# KiCad board TX75v2 PCB replacement.kicad_pcb (continued)
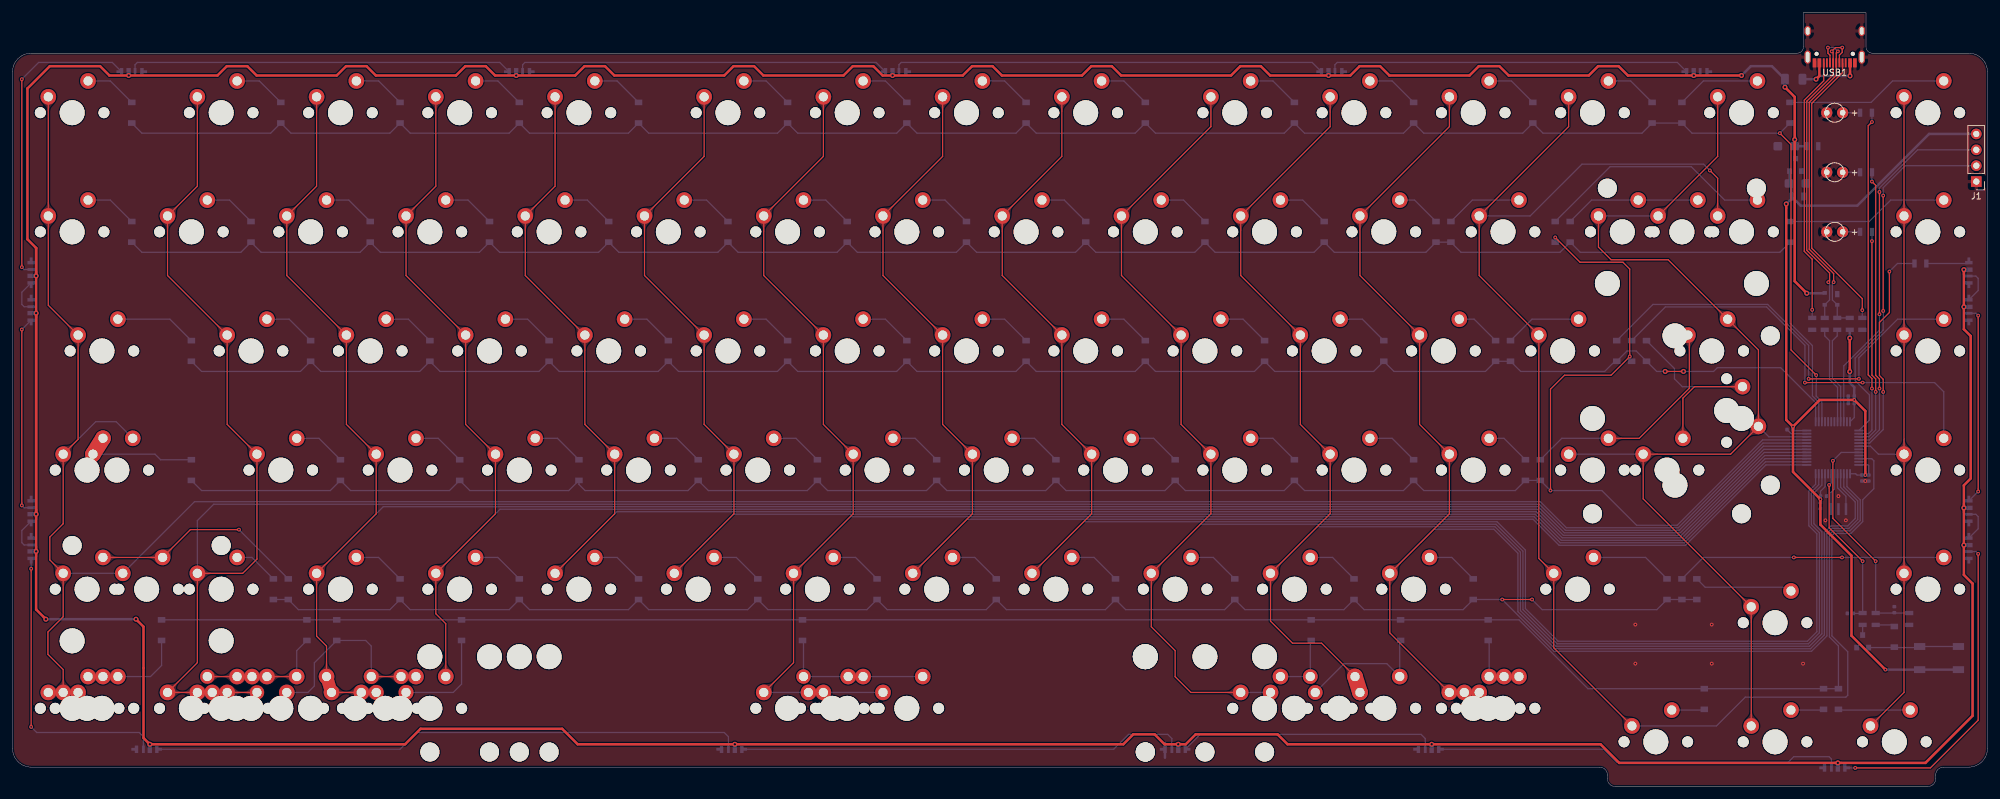
[diagram p0: board, top side]
## Copper pours and planes (outline as drawn; the poured copper is in the pictures) (continued)
C13 on Top: 277.87,26.24 277.87,26.35 277.88,26.45 277.89,26.54 277.9,26.63 277.92,26.71 277.94,26.78 277.96,26.85 277.99,26.92 278.01,26.98 278.04,27.04 278.08,27.1 278.11,27.15 278.15,27.2 278.19,27.25 278.53,27.64 278.58,27.7 278.63,27.75 278.67,27.82 278.72,27.88 278.77,27.95 278.81,28.02 278.85,28.1 278.9,28.19 277.77,29.36 276.65,28.19 276.69,28.1 276.74,28.02 276.78,27.95 276.83,27.88 276.87,27.82 276.92,27.75 276.96,27.7 277.01,27.64 277.36,27.25 277.4,27.2 277.44,27.15 277.47,27.1 277.5,27.04 277.53,26.98 277.56,26.92 277.58,26.85 277.61,26.78 277.63,26.71 277.64,26.63 277.66,26.54 277.67,26.45 277.67,26.35 277.67,26.24
C13 on Top: 277.67,12.17 277.67,12.07 277.67,11.97 277.66,11.88 277.64,11.79 277.63,11.71 277.61,11.63 277.58,11.56 277.56,11.5 277.53,11.44 277.5,11.38 277.47,11.32 277.44,11.27 277.4,11.22 277.36,11.17 277.01,10.78 276.96,10.72 276.92,10.66 276.87,10.6 276.83,10.54 276.78,10.47 276.74,10.39 276.69,10.31 276.65,10.23 277.77,9.06 278.9,10.23 278.85,10.31 278.81,10.39 278.77,10.47 278.72,10.54 278.67,10.6 278.63,10.66 278.58,10.72 278.53,10.78 278.19,11.17 278.15,11.22 278.11,11.27 278.08,11.32 278.04,11.38 278.01,11.44 277.99,11.5 277.96,11.56 277.94,11.63 277.92,11.71 277.9,11.79 277.89,11.88 277.88,11.97 277.87,12.07 277.87,12.17
C13 on Top: 275.83,73.04 275.76,73.12 275.69,73.19 275.64,73.26 275.58,73.33 275.54,73.4 275.5,73.47 275.46,73.54 275.44,73.6 275.41,73.66 275.39,73.73 275.37,73.79 275.36,73.85 275.35,73.91 275.34,73.97 275.31,74.5 275.31,74.57 275.3,74.64 275.29,74.72 275.28,74.8 275.26,74.88 275.24,74.96 275.21,75.05 275.18,75.14 273.56,75.17 273.59,73.55 273.68,73.52 273.77,73.5 273.86,73.48 273.94,73.46 274.02,73.45 274.09,73.43 274.17,73.43 274.24,73.42 274.76,73.39 274.82,73.38 274.88,73.37 274.95,73.36 275.01,73.34 275.07,73.32 275.13,73.3 275.2,73.27 275.26,73.24 275.33,73.2 275.4,73.15 275.47,73.1 275.54,73.04 275.62,72.97 275.69,72.9
C13 on Top: 278.82,60.08 278.82,59.97 278.82,59.87 278.81,59.78 278.79,59.69 278.78,59.61 278.76,59.54 278.74,59.47 278.71,59.4 278.68,59.34 278.65,59.28 278.62,59.22 278.59,59.17 278.55,59.12 278.51,59.07 278.16,58.68 278.12,58.62 278.07,58.57 278.02,58.51 277.98,58.44 277.93,58.37 277.89,58.3 277.84,58.22 277.8,58.13 278.92,56.96 280.05,58.13 280.01,58.22 279.96,58.3 279.92,58.37 279.87,58.44 279.82,58.51 279.78,58.57 279.73,58.62 279.69,58.68 279.34,59.07 279.3,59.12 279.26,59.17 279.23,59.22 279.19,59.28 279.16,59.34 279.14,59.4 279.11,59.47 279.09,59.54 279.07,59.61 279.05,59.69 279.04,59.78 279.03,59.87 279.03,59.97 279.02,60.08
C13 on Top: 272.17,76.42 272.24,76.35 272.31,76.27 272.37,76.2 272.42,76.13 272.47,76.06 272.51,75.99 272.54,75.93 272.57,75.86 272.59,75.8 272.61,75.74 272.63,75.68 272.64,75.61 272.65,75.55 272.66,75.49 272.69,74.97 272.7,74.89 272.71,74.82 272.72,74.74 272.73,74.67 272.75,74.58 272.77,74.5 272.79,74.41 272.82,74.32 274.44,74.29 274.41,75.91 274.32,75.94 274.23,75.97 274.15,75.99 274.07,76 273.99,76.02 273.91,76.03 273.84,76.04 273.77,76.04 273.24,76.07 273.18,76.08 273.12,76.09 273.06,76.1 273,76.12 272.93,76.14 272.87,76.16 272.81,76.19 272.74,76.23 272.67,76.27 272.61,76.31 272.54,76.36 272.46,76.42 272.39,76.49 272.31,76.56
C13 on Top: 253.47,88.75 253.47,88.86 253.47,88.96 253.48,89.05 253.5,89.14 253.51,89.22 253.53,89.29 253.55,89.36 253.58,89.43 253.61,89.49 253.64,89.55 253.67,89.6 253.7,89.66 253.74,89.71 253.78,89.76 254.13,90.15 254.17,90.2 254.22,90.26 254.27,90.32 254.31,90.39 254.36,90.46 254.4,90.53 254.45,90.61 254.49,90.7 253.37,91.87 252.24,90.7 252.28,90.61 252.33,90.53 252.37,90.46 252.42,90.39 252.46,90.32 252.51,90.26 252.56,90.2 252.6,90.15 252.95,89.76 252.99,89.71 253.03,89.66 253.06,89.6 253.09,89.55 253.12,89.49 253.15,89.43 253.18,89.36 253.2,89.29 253.22,89.22 253.23,89.14 253.25,89.05 253.26,88.96 253.26,88.86 253.27,88.75
C13 on Top: 272.51,107.8 272.52,107.91 272.52,108.01 272.53,108.1 272.55,108.19 272.56,108.27 272.58,108.34 272.6,108.41 272.63,108.48 272.66,108.54 272.69,108.6 272.72,108.65 272.75,108.71 272.79,108.76 272.83,108.81 273.18,109.2 273.22,109.25 273.27,109.31 273.32,109.37 273.36,109.44 273.41,109.51 273.45,109.58 273.5,109.66 273.54,109.75 272.41,110.92 271.29,109.75 271.33,109.66 271.38,109.58 271.42,109.51 271.47,109.44 271.51,109.37 271.56,109.31 271.61,109.25 271.65,109.2 272,108.81 272.04,108.76 272.08,108.71 272.11,108.65 272.14,108.6 272.17,108.54 272.2,108.48 272.23,108.41 272.25,108.34 272.27,108.27 272.28,108.19 272.3,108.1 272.31,108.01 272.31,107.91 272.31,107.8
C13 on Top: 264.58,93.07 264.5,93 264.43,92.93 264.36,92.87 264.29,92.82 264.22,92.78 264.15,92.74 264.09,92.7 264.02,92.67 263.96,92.65 263.9,92.63 263.83,92.61 263.77,92.6 263.71,92.59 263.65,92.58 263.12,92.55 263.05,92.55 262.98,92.54 262.9,92.53 262.82,92.51 262.74,92.5 262.66,92.48 262.57,92.45 262.48,92.42 262.45,90.8 264.07,90.83 264.1,90.92 264.13,91.01 264.15,91.09 264.16,91.18 264.18,91.25 264.19,91.33 264.2,91.4 264.2,91.48 264.23,92 264.24,92.06 264.25,92.12 264.26,92.19 264.28,92.25 264.3,92.31 264.32,92.37 264.35,92.44 264.39,92.5 264.43,92.57 264.47,92.64 264.52,92.71 264.58,92.78 264.65,92.86 264.72,92.93
C13 on Top: 263,53.24 262.89,53.24 262.79,53.25 262.7,53.26 262.61,53.27 262.53,53.29 262.46,53.31 262.39,53.33 262.32,53.35 262.26,53.38 262.2,53.41 262.15,53.44 262.09,53.48 262.04,53.52 261.99,53.55 261.6,53.9 261.55,53.95 261.49,54 261.43,54.04 261.36,54.09 261.29,54.13 261.22,54.18 261.14,54.22 261.05,54.27 259.88,53.14 261.05,52.02 261.14,52.06 261.22,52.1 261.29,52.15 261.36,52.19 261.43,52.24 261.49,52.29 261.55,52.33 261.6,52.38 261.99,52.73 262.04,52.77 262.09,52.8 262.15,52.84 262.2,52.87 262.26,52.9 262.32,52.93 262.39,52.95 262.46,52.98 262.53,53 262.61,53.01 262.7,53.02 262.79,53.03 262.89,53.04 263,53.04
C13 on Top: 277.23,55.76 277.31,55.83 277.38,55.89 277.46,55.95 277.53,56.01 277.59,56.05 277.66,56.09 277.73,56.12 277.79,56.15 277.86,56.18 277.92,56.2 277.98,56.21 278.04,56.23 278.1,56.24 278.17,56.25 278.69,56.28 278.76,56.28 278.83,56.29 278.91,56.3 278.99,56.31 279.07,56.33 279.16,56.35 279.24,56.38 279.33,56.41 279.37,58.03 277.74,58 277.71,57.91 277.69,57.82 277.67,57.73 277.65,57.65 277.64,57.57 277.63,57.5 277.62,57.42 277.61,57.35 277.58,56.83 277.57,56.77 277.56,56.71 277.55,56.64 277.54,56.58 277.51,56.52 277.49,56.45 277.46,56.39 277.43,56.32 277.39,56.26 277.34,56.19 277.29,56.12 277.23,56.05 277.17,55.97 277.09,55.9
C13 on Bottom: 280.73,56.02 280.64,56.03 280.55,56.04 280.47,56.06 280.41,56.08 280.35,56.11 280.3,56.14 280.26,56.19 280.23,56.23 280.2,56.28 280.18,56.34 280.16,56.4 280.15,56.47 280.15,56.54 280.14,56.61 280.14,56.68 280.15,56.76 280.18,57.19 280.18,57.28 280.19,57.37 280.19,57.46 280.18,57.55 280.18,57.64 280.17,57.73 280.15,57.82 280.13,57.91 280.1,58 278.48,58.03 278.92,56.34 279.01,56.34 279.08,56.33 279.15,56.32 279.22,56.31 279.28,56.3 279.34,56.28 279.4,56.27 279.46,56.25 279.51,56.23 280.03,55.96 280.09,55.93 280.14,55.91 280.2,55.89 280.27,55.88 280.33,55.86 280.4,55.85 280.48,55.84 280.56,55.83 280.64,55.83 280.73,55.82
C13 on Bottom: 260.4,91.14 260.51,91.14 260.61,91.13 260.7,91.12 260.78,91.11 260.86,91.1 260.94,91.08 261.01,91.05 261.08,91.03 261.14,91 261.2,90.97 261.25,90.94 261.31,90.9 261.36,90.87 261.41,90.83 261.8,90.48 261.85,90.43 261.91,90.39 261.97,90.34 262.04,90.29 262.11,90.25 262.18,90.2 262.26,90.16 262.35,90.12 263.51,91.24 262.35,92.37 262.26,92.32 262.18,92.28 262.11,92.23 262.04,92.19 261.97,92.14 261.91,92.1 261.85,92.05 261.8,92 261.41,91.65 261.36,91.62 261.31,91.58 261.25,91.54 261.2,91.51 261.14,91.48 261.08,91.45 261.01,91.43 260.94,91.41 260.86,91.39 260.78,91.37 260.7,91.36 260.61,91.35 260.51,91.34 260.4,91.34
C13 on Bottom: 255.85,91.34 255.75,91.34 255.65,91.35 255.56,91.36 255.47,91.37 255.39,91.39 255.32,91.41 255.24,91.43 255.18,91.45 255.12,91.48 255.06,91.51 255,91.54 254.95,91.58 254.9,91.62 254.85,91.65 254.46,92 254.4,92.05 254.35,92.1 254.28,92.14 254.22,92.19 254.15,92.23 254.07,92.28 254,92.32 253.91,92.37 252.74,91.24 253.91,90.12 254,90.16 254.07,90.2 254.15,90.25 254.22,90.29 254.28,90.34 254.35,90.39 254.4,90.43 254.46,90.48 254.85,90.83 254.9,90.87 254.95,90.9 255,90.94 255.06,90.97 255.12,91 255.18,91.03 255.24,91.05 255.32,91.08 255.39,91.1 255.47,91.11 255.56,91.12 255.65,91.13 255.75,91.14 255.85,91.14
C13 on Bottom: 258.02,53.04 258.12,53.04 258.22,53.03 258.32,53.02 258.4,53.01 258.48,53 258.56,52.98 258.63,52.95 258.69,52.93 258.76,52.9 258.82,52.87 258.87,52.84 258.92,52.8 258.98,52.77 259.02,52.73 259.42,52.38 259.47,52.33 259.53,52.29 259.59,52.24 259.66,52.19 259.72,52.15 259.8,52.1 259.88,52.06 259.96,52.02 261.13,53.14 259.96,54.27 259.88,54.22 259.8,54.18 259.72,54.13 259.66,54.09 259.59,54.04 259.53,54 259.47,53.95 259.42,53.9 259.02,53.55 258.98,53.52 258.92,53.48 258.87,53.44 258.82,53.41 258.76,53.38 258.69,53.35 258.63,53.33 258.56,53.31 258.48,53.29 258.4,53.27 258.32,53.26 258.22,53.25 258.12,53.24 258.02,53.24
C13 on Bottom: 251.09,53.24 250.99,53.24 250.89,53.25 250.79,53.26 250.71,53.27 250.63,53.29 250.55,53.31 250.48,53.33 250.42,53.35 250.35,53.38 250.3,53.41 250.24,53.44 250.19,53.48 250.14,53.52 250.09,53.55 249.7,53.9 249.64,53.95 249.58,54 249.52,54.04 249.46,54.09 249.39,54.13 249.31,54.18 249.23,54.22 249.15,54.27 247.98,53.14 249.15,52.02 249.23,52.06 249.31,52.1 249.39,52.15 249.46,52.19 249.52,52.24 249.58,52.29 249.64,52.33 249.7,52.38 250.09,52.73 250.14,52.77 250.19,52.8 250.24,52.84 250.3,52.87 250.35,52.9 250.42,52.93 250.48,52.95 250.55,52.98 250.63,53 250.71,53.01 250.79,53.02 250.89,53.03 250.99,53.04 251.09,53.04
C14 on Top: 302.28,31.6 302.28,31.71 302.29,31.81 302.3,31.9 302.31,31.99 302.33,32.07 302.35,32.14 302.37,32.21 302.39,32.28 302.42,32.34 302.45,32.4 302.48,32.45 302.52,32.51 302.55,32.56 302.59,32.61 302.94,33 302.99,33.05 303.04,33.11 303.08,33.17 303.13,33.24 303.17,33.31 303.22,33.38 303.26,33.46 303.31,33.55 302.18,34.72 301.06,33.55 301.1,33.46 301.14,33.38 301.19,33.31 301.23,33.24 301.28,33.17 301.33,33.11 301.37,33.05 301.42,33 301.77,32.61 301.81,32.56 301.84,32.51 301.88,32.45 301.91,32.4 301.94,32.34 301.97,32.28 301.99,32.21 302.02,32.14 302.03,32.07 302.05,31.99 302.06,31.9 302.07,31.81 302.08,31.71 302.08,31.6
C14 on Top: 298.51,11.52 298.44,11.44 298.36,11.38 298.29,11.32 298.22,11.26 298.15,11.22 298.08,11.18 298.02,11.15 297.95,11.12 297.89,11.09 297.83,11.07 297.77,11.06 297.7,11.04 297.64,11.03 297.58,11.02 297.06,11 296.99,10.99 296.91,10.98 296.84,10.97 296.76,10.96 296.68,10.94 296.59,10.92 296.5,10.89 296.41,10.86 296.38,9.24 298,9.27 298.03,9.36 298.06,9.45 298.08,9.54 298.1,9.62 298.11,9.7 298.12,9.77 298.13,9.85 298.13,9.92 298.16,10.44 298.17,10.5 298.18,10.57 298.2,10.63 298.21,10.69 298.23,10.75 298.26,10.82 298.28,10.88 298.32,10.95 298.36,11.01 298.4,11.08 298.46,11.15 298.51,11.22 298.58,11.3 298.65,11.37
C14 on Top: 302.28,107.8 302.28,107.91 302.29,108.01 302.3,108.1 302.31,108.19 302.33,108.27 302.35,108.34 302.37,108.41 302.39,108.48 302.42,108.54 302.45,108.6 302.48,108.65 302.52,108.71 302.55,108.76 302.59,108.81 302.94,109.2 302.99,109.25 303.04,109.31 303.08,109.37 303.13,109.44 303.17,109.51 303.22,109.58 303.26,109.66 303.31,109.75 302.18,110.92 301.06,109.75 301.1,109.66 301.14,109.58 301.19,109.51 301.23,109.44 301.28,109.37 301.33,109.31 301.37,109.25 301.42,109.2 301.77,108.81 301.81,108.76 301.84,108.71 301.88,108.65 301.91,108.6 301.94,108.54 301.97,108.48 301.99,108.41 302.02,108.34 302.03,108.27 302.05,108.19 302.06,108.1 302.07,108.01 302.08,107.91 302.08,107.8
C14 on Top: 302.08,93.73 302.08,93.63 302.07,93.53 302.06,93.43 302.05,93.35 302.03,93.27 302.02,93.19 301.99,93.12 301.97,93.06 301.94,92.99 301.91,92.93 301.88,92.88 301.84,92.83 301.81,92.78 301.77,92.73 301.42,92.34 301.37,92.28 301.33,92.22 301.28,92.16 301.23,92.1 301.19,92.03 301.14,91.95 301.1,91.87 301.06,91.79 302.18,90.62 303.31,91.79 303.26,91.87 303.22,91.95 303.17,92.03 303.13,92.1 303.08,92.16 303.04,92.22 302.99,92.28 302.94,92.34 302.59,92.73 302.55,92.78 302.52,92.83 302.48,92.88 302.45,92.93 302.42,92.99 302.39,93.06 302.37,93.12 302.35,93.19 302.33,93.27 302.31,93.35 302.3,93.43 302.29,93.53 302.28,93.63 302.28,93.73
C14 on Top: 302.08,74.68 302.08,74.58 302.07,74.48 302.06,74.38 302.05,74.3 302.03,74.22 302.02,74.14 301.99,74.07 301.97,74.01 301.94,73.94 301.91,73.88 301.88,73.83 301.84,73.78 301.81,73.73 301.77,73.68 301.42,73.29 301.37,73.23 301.33,73.17 301.28,73.11 301.23,73.05 301.19,72.98 301.14,72.9 301.1,72.82 301.06,72.74 302.18,71.57 303.31,72.74 303.26,72.82 303.22,72.9 303.17,72.98 303.13,73.05 303.08,73.11 303.04,73.17 302.99,73.23 302.94,73.29 302.59,73.68 302.55,73.73 302.52,73.78 302.48,73.83 302.45,73.88 302.42,73.94 302.39,74.01 302.37,74.07 302.35,74.14 302.33,74.22 302.31,74.3 302.3,74.38 302.29,74.48 302.28,74.58 302.28,74.68
C14 on Top: 302.28,88.75 302.28,88.86 302.29,88.96 302.3,89.05 302.31,89.14 302.33,89.22 302.35,89.29 302.37,89.36 302.39,89.43 302.42,89.49 302.45,89.55 302.48,89.6 302.52,89.66 302.55,89.71 302.59,89.76 302.94,90.15 302.99,90.2 303.04,90.26 303.08,90.32 303.13,90.39 303.17,90.46 303.22,90.53 303.26,90.61 303.31,90.7 302.18,91.87 301.06,90.7 301.1,90.61 301.14,90.53 301.19,90.46 301.23,90.39 301.28,90.32 301.33,90.26 301.37,90.2 301.42,90.15 301.77,89.76 301.81,89.71 301.84,89.66 301.88,89.6 301.91,89.55 301.94,89.49 301.97,89.43 301.99,89.36 302.02,89.29 302.03,89.22 302.05,89.14 302.06,89.05 302.07,88.96 302.08,88.86 302.08,88.75
C14 on Top: 302.08,55.63 302.08,55.53 302.07,55.43 302.06,55.33 302.05,55.25 302.03,55.17 302.02,55.09 301.99,55.02 301.97,54.96 301.94,54.89 301.91,54.83 301.88,54.78 301.84,54.73 301.81,54.68 301.77,54.63 301.42,54.24 301.37,54.18 301.33,54.12 301.28,54.06 301.23,54 301.19,53.93 301.14,53.85 301.1,53.77 301.06,53.69 302.18,52.52 303.31,53.69 303.26,53.77 303.22,53.85 303.17,53.93 303.13,54 303.08,54.06 303.04,54.12 302.99,54.18 302.94,54.24 302.59,54.63 302.55,54.68 302.52,54.73 302.48,54.78 302.45,54.83 302.42,54.89 302.39,54.96 302.37,55.02 302.35,55.09 302.33,55.17 302.31,55.25 302.3,55.33 302.29,55.43 302.28,55.53 302.28,55.63
C14 on Top: 302.28,69.7 302.28,69.81 302.29,69.91 302.3,70 302.31,70.09 302.33,70.17 302.35,70.24 302.37,70.31 302.39,70.38 302.42,70.44 302.45,70.5 302.48,70.55 302.52,70.61 302.55,70.66 302.59,70.71 302.94,71.1 302.99,71.15 303.04,71.21 303.08,71.27 303.13,71.34 303.17,71.41 303.22,71.48 303.26,71.56 303.31,71.65 302.18,72.82 301.06,71.65 301.1,71.56 301.14,71.48 301.19,71.41 301.23,71.34 301.28,71.27 301.33,71.21 301.37,71.15 301.42,71.1 301.77,70.71 301.81,70.66 301.84,70.61 301.88,70.55 301.91,70.5 301.94,70.44 301.97,70.38 301.99,70.31 302.02,70.24 302.03,70.17 302.05,70.09 302.06,70 302.07,69.91 302.08,69.81 302.08,69.7
C14 on Top: 302.28,50.65 302.28,50.76 302.29,50.86 302.3,50.95 302.31,51.04 302.33,51.12 302.35,51.19 302.37,51.26 302.39,51.33 302.42,51.39 302.45,51.45 302.48,51.5 302.52,51.56 302.55,51.61 302.59,51.66 302.94,52.05 302.99,52.1 303.04,52.16 303.08,52.22 303.13,52.29 303.17,52.36 303.22,52.43 303.26,52.51 303.31,52.6 302.18,53.77 301.06,52.6 301.1,52.51 301.14,52.43 301.19,52.36 301.23,52.29 301.28,52.22 301.33,52.16 301.37,52.1 301.42,52.05 301.77,51.66 301.81,51.61 301.84,51.56 301.88,51.5 301.91,51.45 301.94,51.39 301.97,51.33 301.99,51.26 302.02,51.19 302.03,51.12 302.05,51.04 302.06,50.95 302.07,50.86 302.08,50.76 302.08,50.65
C14 on Top: 302.08,36.58 302.08,36.48 302.07,36.38 302.06,36.28 302.05,36.2 302.03,36.12 302.02,36.04 301.99,35.97 301.97,35.91 301.94,35.84 301.91,35.78 301.88,35.73 301.84,35.68 301.81,35.63 301.77,35.58 301.42,35.19 301.37,35.13 301.33,35.07 301.28,35.01 301.23,34.95 301.19,34.88 301.14,34.8 301.1,34.72 301.06,34.64 302.18,33.47 303.31,34.64 303.26,34.72 303.22,34.8 303.17,34.88 303.13,34.95 303.08,35.01 303.04,35.07 302.99,35.13 302.94,35.19 302.59,35.58 302.55,35.63 302.52,35.68 302.48,35.73 302.45,35.78 302.42,35.84 302.39,35.91 302.37,35.97 302.35,36.04 302.33,36.12 302.31,36.2 302.3,36.28 302.29,36.38 302.28,36.48 302.28,36.58
C14 on Bottom: 299.69,53.04 299.8,53.04 299.9,53.03 299.99,53.02 300.07,53.01 300.16,53 300.23,52.98 300.3,52.95 300.37,52.93 300.43,52.9 300.49,52.87 300.54,52.84 300.6,52.8 300.65,52.77 300.7,52.73 301.09,52.38 301.14,52.33 301.2,52.29 301.26,52.24 301.33,52.19 301.4,52.15 301.47,52.1 301.55,52.06 301.64,52.02 302.81,53.14 301.64,54.27 301.55,54.22 301.47,54.18 301.4,54.13 301.33,54.09 301.26,54.04 301.2,54 301.14,53.95 301.09,53.9 300.7,53.55 300.65,53.52 300.6,53.48 300.54,53.44 300.49,53.41 300.43,53.38 300.37,53.35 300.3,53.33 300.23,53.31 300.16,53.29 300.07,53.27 299.99,53.26 299.9,53.25 299.8,53.24 299.69,53.24
SWCLK on Bottom: 312.04,99.18 312.11,99.18 312.18,99.17 312.24,99.17 312.3,99.16 312.35,99.15 312.4,99.14 312.45,99.12 312.5,99.11 312.54,99.09 313.2,98.6 313.25,98.57 313.3,98.54 313.36,98.51 314.16,99.28 313.36,100.04 313.3,100.01 313.25,99.99 313.2,99.96 312.54,99.47 312.5,99.45 312.45,99.43 312.4,99.42 312.35,99.41 312.3,99.4 312.24,99.39 312.18,99.38 312.11,99.38 312.04,99.38
SWDIO on Bottom: 312.04,101.72 312.11,101.72 312.18,101.71 312.24,101.71 312.3,101.7 312.35,101.69 312.4,101.68 312.45,101.66 312.5,101.65 312.54,101.63 313.2,101.14 313.25,101.11 313.3,101.08 313.36,101.05 314.16,101.82 313.36,102.58 313.3,102.55 313.25,102.53 313.2,102.5 312.54,102.01 312.5,101.99 312.45,101.97 312.4,101.96 312.35,101.95 312.3,101.94 312.24,101.93 312.18,101.92 312.11,101.92 312.04,101.92
Net-(D2-Pad2) on Bottom: 65.26,15.14 65.15,15.14 65.06,15.15 64.97,15.16 64.89,15.17 64.81,15.19 64.74,15.2 64.67,15.23 64.61,15.25 64.55,15.28 64.49,15.3 64.44,15.34 64.39,15.37 64.34,15.4 64.29,15.44 63.86,15.82 63.81,15.86 63.75,15.91 63.68,15.95 63.62,15.99 63.55,16.04 63.47,16.08 63.39,16.12 62.27,15.04 63.39,13.96 63.47,14 63.55,14.04 63.62,14.09 63.68,14.13 63.75,14.18 63.81,14.22 63.86,14.26 64.29,14.64 64.34,14.68 64.39,14.71 64.44,14.75 64.49,14.78 64.55,14.81 64.61,14.83 64.67,14.86 64.74,14.88 64.81,14.9 64.89,14.91 64.97,14.92 65.06,14.93 65.15,14.94 65.26,14.94
Net-(D3-Pad2) on Bottom: 14.55,112.93 14.45,112.93 14.35,112.94 14.26,112.95 14.17,112.96 14.09,112.98 14.02,113 13.94,113.02 13.88,113.04 13.82,113.07 13.76,113.1 13.7,113.13 13.65,113.17 13.6,113.21 13.55,113.24 13.16,113.59 13.1,113.64 13.05,113.69 12.98,113.73 12.92,113.78 12.85,113.82 12.77,113.87 12.7,113.91 12.61,113.96 11.44,112.83 12.61,111.71 12.7,111.75 12.77,111.79 12.85,111.84 12.92,111.88 12.98,111.93 13.05,111.98 13.1,112.02 13.16,112.07 13.55,112.42 13.6,112.46 13.65,112.49 13.7,112.53 13.76,112.56 13.82,112.59 13.88,112.62 13.94,112.64 14.02,112.67 14.09,112.69 14.17,112.7 14.26,112.71 14.35,112.72 14.45,112.73 14.55,112.73
Net-(D4-Pad2) on Bottom: 14.55,93.88 14.45,93.88 14.35,93.89 14.26,93.9 14.17,93.91 14.09,93.93 14.02,93.95 13.94,93.97 13.88,93.99 13.82,94.02 13.76,94.05 13.7,94.08 13.65,94.12 13.6,94.16 13.55,94.19 13.16,94.54 13.1,94.59 13.05,94.64 12.98,94.68 12.92,94.73 12.85,94.77 12.77,94.82 12.7,94.86 12.61,94.91 11.44,93.78 12.61,92.66 12.7,92.7 12.77,92.74 12.85,92.79 12.92,92.83 12.98,92.88 13.05,92.93 13.1,92.97 13.16,93.02 13.55,93.37 13.6,93.41 13.65,93.44 13.7,93.48 13.76,93.51 13.82,93.54 13.88,93.57 13.94,93.59 14.02,93.62 14.09,93.64 14.17,93.65 14.26,93.66 14.35,93.67 14.45,93.68 14.55,93.68
Net-(D5-Pad2) on Bottom: 19.32,74.83 19.21,74.83 19.11,74.84 19.02,74.85 18.93,74.86 18.85,74.88 18.78,74.9 18.71,74.92 18.64,74.94 18.58,74.97 18.52,75 18.46,75.03 18.41,75.07 18.36,75.11 18.31,75.14 17.92,75.49 17.87,75.54 17.81,75.59 17.75,75.63 17.68,75.68 17.61,75.72 17.54,75.77 17.46,75.81 17.37,75.86 16.2,74.73 17.37,73.61 17.46,73.65 17.54,73.69 17.61,73.74 17.68,73.78 17.75,73.83 17.81,73.88 17.87,73.92 17.92,73.97 18.31,74.32 18.36,74.36 18.41,74.39 18.46,74.43 18.52,74.46 18.58,74.49 18.64,74.52 18.71,74.54 18.78,74.57 18.85,74.59 18.93,74.6 19.02,74.61 19.11,74.62 19.21,74.63 19.32,74.63
Net-(D6-Pad2) on Bottom: 15.35,53.24 15.24,53.24 15.14,53.25 15.05,53.26 14.96,53.27 14.88,53.29 14.81,53.31 14.74,53.33 14.67,53.35 14.61,53.38 14.55,53.41 14.5,53.44 14.44,53.48 14.39,53.52 14.34,53.55 13.95,53.9 13.9,53.95 13.84,54 13.78,54.04 13.71,54.09 13.64,54.13 13.57,54.18 13.49,54.22 13.4,54.27 12.23,53.14 13.4,52.02 13.49,52.06 13.57,52.1 13.64,52.15 13.71,52.19 13.78,52.24 13.84,52.29 13.9,52.33 13.95,52.38 14.34,52.73 14.39,52.77 14.44,52.8 14.5,52.84 14.55,52.87 14.61,52.9 14.67,52.93 14.74,52.95 14.81,52.98 14.88,53 14.96,53.01 15.05,53.02 15.14,53.03 15.24,53.04 15.35,53.04
Net-(D7-Pad2) on Top: 25.66,38.46 25.58,38.39 25.51,38.32 25.44,38.26 25.37,38.21 25.3,38.17 25.23,38.13 25.17,38.09 25.1,38.06 25.04,38.04 24.98,38.02 24.91,38 24.85,37.99 24.79,37.98 24.73,37.97 24.21,37.94 24.13,37.94 24.06,37.93 23.98,37.92 23.91,37.9 23.82,37.89 23.74,37.87 23.65,37.84 23.56,37.81 23.53,36.19 25.15,36.22 25.18,36.31 25.21,36.4 25.23,36.48 25.24,36.57 25.26,36.64 25.27,36.72 25.28,36.79 25.28,36.87 25.31,37.39 25.32,37.45 25.33,37.51 25.34,37.58 25.36,37.64 25.38,37.7 25.4,37.76 25.43,37.83 25.47,37.89 25.51,37.96 25.55,38.03 25.6,38.1 25.66,38.17 25.73,38.25 25.8,38.32
Net-(D7-Pad2) on Top: 21.48,36.53 21.59,36.53 21.69,36.52 21.78,36.51 21.87,36.5 21.95,36.49 22.02,36.47 22.09,36.44 22.16,36.42 22.22,36.39 22.28,36.36 22.33,36.33 22.39,36.29 22.44,36.26 22.49,36.22 22.88,35.87 22.93,35.82 22.99,35.78 23.05,35.73 23.12,35.68 23.19,35.64 23.26,35.59 23.34,35.55 23.43,35.51 24.6,36.63 23.43,37.76 23.34,37.71 23.26,37.67 23.19,37.62 23.12,37.58 23.05,37.53 22.99,37.49 22.93,37.44 22.88,37.39 22.49,37.04 22.44,37.01 22.39,36.97 22.33,36.93 22.28,36.9 22.22,36.87 22.16,36.84 22.09,36.82 22.02,36.8 21.95,36.78 21.87,36.76 21.78,36.75 21.69,36.74 21.59,36.73 21.48,36.73
Net-(D7-Pad2) on Top: 16.94,36.73 16.83,36.73 16.73,36.74 16.64,36.75 16.55,36.76 16.47,36.78 16.4,36.8 16.33,36.82 16.26,36.84 16.2,36.87 16.14,36.9 16.08,36.93 16.03,36.97 15.98,37.01 15.93,37.04 15.54,37.39 15.48,37.44 15.43,37.49 15.37,37.53 15.3,37.58 15.23,37.62 15.16,37.67 15.08,37.71 14.99,37.76 13.82,36.63 14.99,35.51 15.08,35.55 15.16,35.59 15.23,35.64 15.3,35.68 15.37,35.73 15.43,35.78 15.48,35.82 15.54,35.87 15.93,36.22 15.98,36.26 16.03,36.29 16.08,36.33 16.14,36.36 16.2,36.39 16.26,36.42 16.33,36.44 16.4,36.47 16.47,36.49 16.55,36.5 16.64,36.51 16.73,36.52 16.83,36.53 16.94,36.53
Net-(D8-Pad2) on Top: 14.34,17.38 14.44,17.38 14.54,17.37 14.63,17.37 14.72,17.36 14.8,17.34 14.87,17.32 14.94,17.31 15.01,17.28 15.07,17.26 15.13,17.23 15.19,17.21 15.24,17.17 15.29,17.14 15.34,17.11 15.86,16.71 15.92,16.67 15.98,16.63 16.05,16.58 16.12,16.54 16.2,16.5 16.28,16.46 17.45,17.58 16.28,18.71 16.2,18.66 16.12,18.62 16.05,18.58 15.98,18.54 15.92,18.49 15.86,18.45 15.34,18.05 15.29,18.02 15.24,17.99 15.19,17.96 15.13,17.93 15.07,17.9 15.01,17.88 14.94,17.86 14.87,17.84 14.8,17.82 14.72,17.81 14.63,17.8 14.54,17.79 14.44,17.78 14.34,17.78
Net-(D8-Pad2) on Top: 14.55,17.78 14.45,17.78 14.35,17.79 14.26,17.8 14.18,17.81 14.1,17.82 14.02,17.84 13.95,17.86 13.88,17.88 13.82,17.9 13.76,17.93 13.71,17.96 13.65,17.99 13.6,18.02 13.55,18.05 13.04,18.45 12.98,18.49 12.91,18.54 12.84,18.58 12.77,18.62 12.69,18.66 12.61,18.71 11.44,17.58 12.61,16.46 12.69,16.5 12.77,16.54 12.84,16.58 12.91,16.63 12.98,16.67 13.04,16.71 13.55,17.11 13.6,17.14 13.65,17.17 13.71,17.21 13.76,17.23 13.82,17.26 13.88,17.28 13.95,17.31 14.02,17.32 14.1,17.34 14.18,17.36 14.26,17.37 14.35,17.37 14.45,17.38 14.55,17.38
Net-(D8-Pad2) on Bottom: 19.32,17.68 19.21,17.68 19.11,17.69 19.02,17.7 18.93,17.71 18.85,17.73 18.78,17.75 18.71,17.77 18.64,17.79 18.58,17.82 18.52,17.85 18.46,17.88 18.41,17.92 18.36,17.96 18.31,17.99 17.92,18.34 17.87,18.39 17.81,18.44 17.75,18.48 17.68,18.53 17.61,18.57 17.54,18.62 17.46,18.66 17.37,18.71 16.2,17.58 17.37,16.46 17.46,16.5 17.54,16.54 17.61,16.59 17.68,16.63 17.75,16.68 17.81,16.73 17.87,16.77 17.92,16.82 18.31,17.17 18.36,17.21 18.41,17.24 18.46,17.28 18.52,17.31 18.58,17.34 18.64,17.37 18.71,17.39 18.78,17.42 18.85,17.44 18.93,17.45 19.02,17.46 19.11,17.47 19.21,17.48 19.32,17.48
Net-(D9-Pad2) on Bottom: 38.37,112.93 38.26,112.93 38.16,112.94 38.07,112.95 37.98,112.96 37.9,112.98 37.83,113 37.76,113.02 37.69,113.04 37.63,113.07 37.57,113.1 37.51,113.13 37.46,113.17 37.41,113.21 37.36,113.24 36.97,113.59 36.92,113.64 36.86,113.69 36.8,113.73 36.73,113.78 36.66,113.82 36.59,113.87 36.51,113.91 36.42,113.96 35.25,112.83 36.42,111.71 36.51,111.75 36.59,111.79 36.66,111.84 36.73,111.88 36.8,111.93 36.86,111.98 36.92,112.02 36.97,112.07 37.36,112.42 37.41,112.46 37.46,112.49 37.51,112.53 37.57,112.56 37.63,112.59 37.69,112.62 37.76,112.64 37.83,112.67 37.9,112.69 37.98,112.7 38.07,112.71 38.16,112.72 38.26,112.73 38.37,112.73
Net-(D10-Pad2) on Bottom: 33.6,93.88 33.5,93.88 33.4,93.89 33.31,93.9 33.22,93.91 33.14,93.93 33.07,93.95 32.99,93.97 32.93,93.99 32.87,94.02 32.81,94.05 32.75,94.08 32.7,94.12 32.65,94.16 32.6,94.19 32.21,94.54 32.15,94.59 32.1,94.64 32.03,94.68 31.97,94.73 31.9,94.77 31.82,94.82 31.75,94.86 31.66,94.91 30.49,93.78 31.66,92.66 31.75,92.7 31.82,92.74 31.9,92.79 31.97,92.83 32.03,92.88 32.1,92.93 32.15,92.97 32.21,93.02 32.6,93.37 32.65,93.41 32.7,93.44 32.75,93.48 32.81,93.51 32.87,93.54 32.93,93.57 32.99,93.59 33.07,93.62 33.14,93.64 33.22,93.65 33.31,93.66 33.4,93.67 33.5,93.68 33.6,93.68